# KiCad board armory.kicad_pcb (continued)
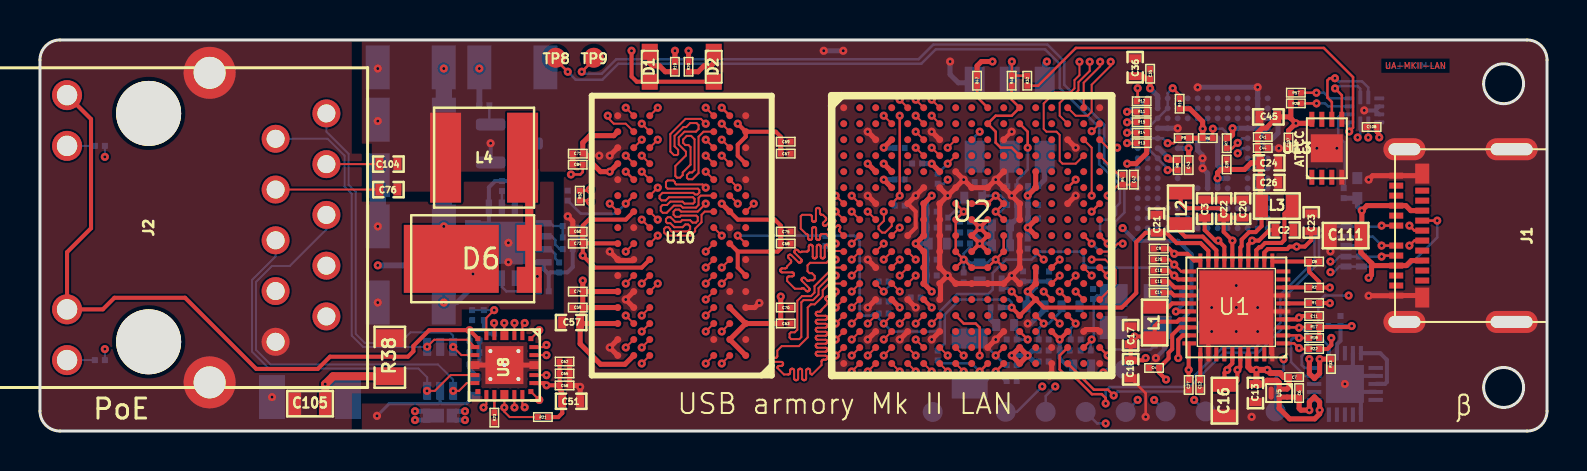
[diagram p0: board, top side]
## Routing (per net, layer and track width the routed paths; a pad name or vN(x,y) marks a point on that pad's centre or on a via; arc(x,y) is an arc through that point) (continued)
/DDR/DRAM_SDQS0_N: length 27.9
  TOP w0.1: U2.P7 v1(44.59,5.38) ; v1(33.29,8.18) U10.G3
  SIGNAL_1 w0.1: v1(33.29,8.18) 32.98,8.49 32.58,8.49 32.37,8.28 32.37,8.01 32.6,7.78 33.46,7.78 33.72,7.52 33.72,7.13 33.85,7 34.24,7 34.72,7.48 34.72,8.83 35.26,9.37 35.26,9.92 35.04,10.14 34.62,10.14 34.42,10.34 33.94,10.34 33.88,10.4 33.88,10.52 33.97,10.61 35.73,10.61 36.25,11.14 36.25,11.58 36.42,11.75 39.03,11.75 39.43,11.35 39.43,10.82 39.83,10.42 42.7,10.42 42.87,10.59 43.78,10.59 44.66,9.71 44.66,9.52 45.03,9.14 45.03,7.63 45.38,7.28 45.38,6.77 45.03,6.42 45.03,5.82 v1(44.59,5.38)
/DDR/DRAM_SDQS0_P: length 27.9
  TOP w0.1: U2.P6 v1(43.79,5.38) ; U10.F3 v1(33.29,7.38)
  SIGNAL_1 w0.1: v1(33.29,7.38) 32.71,7.38 32.17,7.92 32.17,8.56 32.12,8.61 31.85,8.61 31.79,8.55 31.79,7.96 32.8,6.95 33.45,6.95 33.6,6.8 34.43,6.8 34.92,7.29 34.92,8.75 35.48,9.31 35.48,10.04 35.37,10.15 35.37,10.32 35.46,10.41 35.81,10.41 36.45,11.05 36.45,11.41 36.59,11.55 38.95,11.55 39.23,11.26 39.23,10.74 39.75,10.22 42.43,10.22 42.83,9.82 43.13,9.82 43.54,10.23 43.86,10.23 44.46,9.63 44.46,9.43 44.83,9.06 44.83,7.55 45.18,7.2 45.18,6.86 44.87,6.54 44.36,6.54 44.23,6.41 44.23,5.82 v1(43.79,5.38)
/DDR/DRAM_SDQS1_N: length 28
  TOP w0.1: v1(30.09,4.18) U10.B7 ; U2.T2 v1(40.59,3.78)
  SIGNAL_1 w0.1: v1(40.59,3.78) 40.59,3.48 40.65,3.42 40.93,3.42 40.99,3.48 40.99,4.05 40.84,4.2 40.34,4.2 40.19,4.05 40.19,3.49 40.02,3.32 39.69,3.32 39.23,3.78 39.23,4.42 38.97,4.68 38.3,4.68 38.28,4.68 38.26,4.69 38.24,4.7 38.23,4.72 38.21,4.74 38.21,4.76 38.2,4.78 38.2,5.43 38.2,5.45 38.19,5.47 38.18,5.49 38.17,5.51 38.15,5.52 38.13,5.53 38.1,5.53 38.08,5.53 38.06,5.52 38.04,5.51 38.03,5.49 38.01,5.47 38.01,5.45 38,5.43 38,4.43 38,4.41 37.99,4.39 37.98,4.37 37.97,4.35 37.95,4.34 37.93,4.33 37.9,4.33 37.88,4.33 37.86,4.34 37.84,4.35 37.83,4.37 37.81,4.39 37.81,4.41 37.8,4.43 37.8,4.88 37.8,4.9 37.79,4.92 37.78,4.94 37.77,4.96 37.75,4.97 37.73,4.98 37.7,4.98 37.68,4.98 37.66,4.97 37.64,4.96 37.63,4.94 37.61,4.92 37.61,4.9 37.6,4.88 37.6,4.43 37.6,4.41 37.59,4.39 37.58,4.37 37.57,4.35 37.55,4.34 37.53,4.33 37.5,4.33 37.48,4.33 37.46,4.34 37.44,4.35 37.43,4.37 37.41,4.39 37.41,4.41 37.4,4.43 37.4,4.88 37.4,4.9 37.39,4.92 37.38,4.94 37.37,4.96 37.35,4.97 37.33,4.98 37.3,4.98 37.28,4.98 37.26,4.97 37.24,4.96 37.23,4.94 37.21,4.92 37.21,4.9 37.2,4.88 37.2,4.43 37.2,4.41 37.19,4.39 37.18,4.37 37.17,4.35 37.15,4.34 37.13,4.33 37.1,4.33 37.08,4.33 37.06,4.34 37.04,4.35 37.03,4.37 37.01,4.39 37.01,4.41 37,4.43 37,4.93 37,4.95 36.99,4.97 36.98,4.99 36.97,5.01 36.95,5.02 36.93,5.03 36.9,5.03 36.88,5.03 36.86,5.02 36.84,5.01 36.83,4.99 36.81,4.97 36.81,4.95 36.8,4.93 36.8,4.43 36.8,4.41 36.79,4.39 36.78,4.37 36.77,4.35 36.75,4.34 36.73,4.33 36.7,4.33 36.68,4.33 36.66,4.34 36.64,4.35 36.63,4.37 36.61,4.39 36.61,4.41 36.6,4.43 36.6,4.58 36.6,4.6 36.59,4.62 36.58,4.64 36.57,4.66 36.55,4.67 36.53,4.68 36.5,4.68 36.2,4.68 36.16,4.63 36.14,4.62 36.12,4.61 36.1,4.61 36.08,4.61 36.05,4.61 36.03,4.62 36.02,4.63 35.88,4.77 35.86,4.79 35.84,4.8 35.82,4.8 35.79,4.8 35.77,4.8 35.75,4.79 35.73,4.77 35.72,4.76 35.71,4.74 35.71,4.71 35.71,4.69 35.71,4.67 35.72,4.65 35.73,4.63 35.95,4.42 36.01,4.35 36.03,4.33 36.04,4.31 36.04,4.29 36.04,4.27 36.04,4.25 36.03,4.23 36.01,4.21 36,4.2 35.98,4.19 35.95,4.18 35.93,4.18 35.91,4.19 35.89,4.2 35.86,4.22 35.84,4.23 35.81,4.24 35.79,4.24 35.77,4.23 35.75,4.22 35.73,4.21 35.24,4.21 35.22,4.21 35.2,4.22 35.18,4.23 35.17,4.25 35.15,4.27 35.15,4.29 35.14,4.31 35.14,4.56 35.14,4.58 35.13,4.6 35.12,4.62 35.11,4.64 35.09,4.65 35.07,4.66 35.04,4.66 35.02,4.66 35,4.65 34.98,4.64 34.97,4.62 34.95,4.6 34.95,4.58 34.94,4.56 34.94,4.31 34.94,4.29 34.93,4.27 34.92,4.25 34.91,4.23 34.89,4.22 34.87,4.21 34.84,4.21 34.82,4.21 34.8,4.22 34.78,4.23 34.76,4.25 34.75,4.27 34.74,4.29 34.74,4.33 34.73,4.35 34.72,4.37 34.71,4.39 34.69,4.4 34.67,4.41 34.64,4.41 34.62,4.41 34.6,4.4 34.58,4.39 34.56,4.37 34.55,4.35 34.54,4.33 34.54,4.29 34.53,4.27 34.52,4.25 34.51,4.23 34.49,4.22 34.47,4.21 34.44,4.21 32.94,4.21 32.93,4.21 32.92,4.21 32.91,4.2 32.9,4.19 32.9,4.18 32.89,4.17 32.89,4.15 32.89,4.14 32.88,4.13 32.87,4.12 32.87,4.11 32.85,4.11 32.84,4.11 32.74,4.11 32.73,4.11 32.72,4.11 32.71,4.12 32.7,4.13 32.7,4.14 32.69,4.15 32.69,4.16 32.69,4.56 32.69,4.58 32.68,4.6 32.67,4.62 32.66,4.64 32.64,4.65 32.62,4.66 32.59,4.66 32.57,4.66 32.55,4.65 32.53,4.64 32.52,4.62 32.5,4.6 32.5,4.58 32.49,4.56 32.49,4.06 32.49,4.04 32.48,4.02 32.47,4 32.46,3.98 32.44,3.97 32.42,3.96 32.39,3.96 32.37,3.96 32.35,3.97 32.33,3.98 32.32,4 32.3,4.02 32.3,4.04 32.29,4.06 32.29,4.56 32.29,4.58 32.28,4.6 32.27,4.62 32.26,4.64 32.24,4.65 32.22,4.66 32.19,4.66 32.17,4.66 32.15,4.65 32.13,4.64 32.12,4.62 32.1,4.6 32.1,4.58 32.09,4.56 32.09,4.06 32.09,4.04 32.08,4.02 32.07,4 32.06,3.98 32.04,3.97 32.02,3.96 31.99,3.96 31.97,3.96 31.95,3.97 31.93,3.98 31.92,4 31.9,4.02 31.9,4.04 31.89,4.06 31.89,4.41 31.89,4.43 31.88,4.45 31.87,4.47 31.86,4.49 31.84,4.5 31.82,4.51 31.79,4.51 31.77,4.51 31.75,4.5 31.73,4.49 31.72,4.47 31.7,4.45 31.7,4.43 31.69,4.41 31.69,4.06 31.69,4.04 31.68,4.02 31.67,4 31.66,3.98 31.64,3.97 31.62,3.96 31.59,3.96 31.57,3.96 31.55,3.97 31.53,3.98 31.52,4 31.5,4.02 31.5,4.04 31.49,4.06 31.49,4.41 31.49,4.43 31.48,4.45 31.47,4.47 31.46,4.49 31.44,4.5 31.42,4.51 31.39,4.51 31.37,4.51 31.35,4.5 31.33,4.49 31.32,4.47 31.3,4.45 31.3,4.43 31.29,4.41 31.29,4.06 31.29,4.04 31.28,4.02 31.27,4 31.26,3.98 31.24,3.97 31.22,3.96 31.19,3.96 31.17,3.96 31.15,3.97 31.13,3.98 31.12,4 31.1,4.02 31.1,4.04 31.09,4.06 31.09,4.41 31.09,4.43 31.08,4.45 31.07,4.47 31.06,4.49 31.04,4.5 31.02,4.51 30.99,4.51 30.97,4.51 30.95,4.5 30.93,4.49 30.92,4.47 30.9,4.45 30.9,4.43 30.89,4.41 30.89,4.06 30.89,4.04 30.88,4.02 30.87,4 30.86,3.98 30.84,3.97 30.82,3.96 30.79,3.96 30.77,3.96 30.75,3.97 30.73,3.98 30.72,4 30.7,4.02 30.7,4.04 30.69,4.06 30.69,4.11 30.69,4.13 30.68,4.15 30.67,4.17 30.66,4.19 30.64,4.2 30.62,4.21 30.59,4.21 30.12,4.21 v1(30.09,4.18)
/DDR/DRAM_SDQS1_P: length 28
  TOP w0.1: v1(39.79,3.78) U2.T1 ; U10.C7 v1(30.09,4.98)
  SIGNAL_1 w0.1: v1(39.79,3.78) 39.43,4.14 39.43,5.53 39.68,5.78 40.06,5.78 40.19,5.91 40.19,6.43 40.04,6.58 39.68,6.58 39.48,6.78 39.18,6.78 39.04,6.64 39.04,6.08 38.69,5.73 38.14,5.73 38.11,5.73 38.08,5.74 38.06,5.76 38.04,5.78 38.02,5.8 38.01,5.83 38.01,5.86 38.01,6.09 38.01,6.12 38,6.15 37.98,6.17 37.96,6.19 37.94,6.2 37.91,6.21 37.89,6.22 37.86,6.21 37.83,6.2 37.81,6.19 37.79,6.17 37.77,6.15 37.76,6.12 37.76,6.09 37.76,5.32 37.76,5.29 37.75,5.26 37.73,5.24 37.71,5.22 37.69,5.21 37.66,5.2 37.64,5.19 37.61,5.2 37.58,5.21 37.56,5.22 37.54,5.24 37.52,5.26 37.51,5.29 37.51,5.32 37.51,6.09 37.51,6.12 37.5,6.15 37.48,6.17 37.46,6.19 37.44,6.2 37.41,6.21 37.39,6.22 37.36,6.21 37.33,6.2 37.31,6.19 37.29,6.17 37.27,6.15 37.26,6.12 37.26,6.09 37.26,5.32 37.26,5.29 37.25,5.26 37.23,5.24 37.21,5.22 37.19,5.21 37.16,5.2 37.14,5.19 37.11,5.2 37.08,5.21 37.06,5.22 37.04,5.24 37.02,5.26 37.01,5.29 37.01,5.32 37.01,6.14 37.01,6.17 37,6.2 36.98,6.22 36.96,6.24 36.94,6.25 36.91,6.26 36.89,6.27 36.86,6.26 36.83,6.25 36.81,6.24 36.79,6.22 36.77,6.2 36.76,6.17 36.76,6.14 36.76,5.32 36.76,5.29 36.75,5.26 36.73,5.24 36.71,5.22 36.69,5.21 36.66,5.2 36.64,5.19 36.61,5.2 36.58,5.21 36.56,5.22 36.54,5.24 36.52,5.26 36.51,5.29 36.51,5.32 36.51,6.14 36.51,6.17 36.5,6.2 36.48,6.22 36.46,6.24 36.44,6.25 36.41,6.26 36.39,6.27 36.36,6.26 36.33,6.25 36.31,6.24 36.29,6.22 36.27,6.2 36.26,6.17 36.26,6.14 36.26,5.32 36.26,5.29 36.25,5.26 36.23,5.24 36.21,5.22 36.19,5.21 36.16,5.2 36.14,5.19 36.11,5.2 36.08,5.21 36.06,5.22 36.04,5.24 36.02,5.26 36.01,5.29 36.01,5.32 36.01,5.61 36.01,5.63 36,5.66 35.98,5.68 35.96,5.7 35.94,5.72 35.91,5.73 35.89,5.73 35.64,5.73 35.55,5.64 35.52,5.62 35.5,5.61 35.47,5.6 35.44,5.6 35.42,5.61 35.39,5.62 35.37,5.64 35.27,5.74 35.25,5.75 35.23,5.77 35.2,5.77 35.17,5.77 35.14,5.77 35.12,5.75 35.1,5.74 35.08,5.71 35.07,5.69 35.06,5.66 35.06,5.63 35.07,5.61 35.08,5.58 35.1,5.56 35.57,5.08 35.59,5.06 35.6,5.04 35.61,5.01 35.61,4.98 35.6,4.95 35.59,4.93 35.57,4.91 35.55,4.89 35.53,4.88 35.5,4.87 35.47,4.87 35.44,4.88 35.42,4.89 35.4,4.91 34.92,5.38 34.9,5.4 34.87,5.41 34.84,5.42 34.82,5.42 34.79,5.41 34.76,5.4 34.74,5.38 34.72,5.36 34.71,5.34 34.71,5.31 34.71,5.28 34.71,5.25 34.72,5.23 34.74,5.21 34.96,4.99 34.97,4.98 34.97,4.97 34.98,4.96 34.98,4.94 34.97,4.93 34.97,4.92 34.96,4.91 34.86,4.81 34.85,4.8 34.84,4.8 34.83,4.79 34.82,4.79 34.8,4.8 34.79,4.8 34.78,4.82 34.77,4.82 34.76,4.82 34.74,4.82 34.73,4.82 34.72,4.82 34.72,4.81 34.33,4.42 33.18,4.42 32.72,4.88 32.36,4.88 32.34,4.88 32.31,4.89 32.29,4.91 32.27,4.93 32.25,4.95 32.24,4.98 32.24,5 32.24,5.04 32.24,5.07 32.23,5.1 32.21,5.12 32.19,5.14 32.17,5.15 32.14,5.16 32.11,5.17 32.09,5.16 32.06,5.15 32.04,5.14 32.02,5.12 32,5.1 31.99,5.07 31.99,5.04 31.99,4.81 31.99,4.8 31.98,4.78 31.97,4.77 31.96,4.76 31.95,4.75 31.94,4.74 31.92,4.74 31.81,4.74 31.79,4.74 31.78,4.75 31.76,4.76 31.75,4.77 31.75,4.78 31.74,4.8 31.74,4.81 31.74,5.04 31.74,5.07 31.73,5.1 31.71,5.12 31.69,5.14 31.67,5.15 31.64,5.16 31.61,5.17 31.59,5.16 31.56,5.15 31.54,5.14 31.52,5.12 31.5,5.1 31.49,5.07 31.49,5.04 31.49,4.81 31.49,4.8 31.48,4.78 31.47,4.77 31.46,4.76 31.45,4.75 31.44,4.74 31.42,4.74 31.31,4.74 31.29,4.74 31.28,4.75 31.26,4.76 31.25,4.77 31.25,4.78 31.24,4.8 31.24,4.81 31.24,5.04 31.24,5.07 31.23,5.1 31.21,5.12 31.19,5.14 31.17,5.15 31.14,5.16 31.11,5.17 31.09,5.16 31.06,5.15 31.04,5.14 31.02,5.12 31,5.1 30.99,5.07 30.99,5.04 30.99,4.88 30.98,4.88 30.98,4.81 30.98,4.8 30.98,4.78 30.97,4.77 30.96,4.76 30.94,4.75 30.93,4.74 30.91,4.74 30.8,4.74 30.79,4.74 30.77,4.75 30.76,4.76 30.75,4.77 30.74,4.78 30.73,4.8 30.73,4.83 30.73,4.84 30.72,4.85 30.71,4.87 30.69,4.87 30.68,4.88 30.66,4.88 30.19,4.88 v1(30.09,4.98)
/DDR/DRAM_WE_B: length 33.9
  TOP w0.1: v1(33.29,12.18) 33.13,12.34 31.81,12.34 31.75,12.4 31.75,12.46 31.67,12.54 31.38,12.54 31.3,12.46 31.3,12.21 31.38,12.13 32.9,12.13 32.97,12.06 32.97,11.93 32.88,11.84 32.75,11.84 32.67,11.92 31.13,11.92 30.98,11.77 30.98,11.64 31.08,11.54 31.29,11.54 31.45,11.7 32.65,11.7 32.73,11.62 32.73,11.45 32.66,11.38 32.23,11.38 32.13,11.48 31.52,11.48 31.35,11.31 31.13,11.31 31.04,11.22 31.04,11.02 31.14,10.92 31.34,10.92 31.7,11.28 32.05,11.28 32.15,11.18 32.8,11.18 32.93,11.31 32.93,11.67 33.04,11.78 U10.L3 ; v1(39.79,9.38) 39.31,9.86 39.11,9.86 39.09,9.86 39.07,9.85 39.05,9.84 39.04,9.82 39.02,9.8 39.02,9.78 39.01,9.76 39.01,9.66 39.01,9.64 39,9.62 38.99,9.6 38.98,9.58 38.96,9.57 38.94,9.56 38.91,9.56 38.89,9.56 38.87,9.57 38.85,9.58 38.84,9.6 38.82,9.62 38.82,9.64 38.81,9.66 38.81,10.11 38.81,10.13 38.8,10.15 38.79,10.17 38.78,10.19 38.76,10.2 38.74,10.21 38.71,10.21 38.69,10.21 38.67,10.2 38.65,10.19 38.64,10.17 38.62,10.15 38.62,10.13 38.61,10.11 38.61,9.66 38.61,9.64 38.6,9.62 38.59,9.6 38.58,9.58 38.56,9.57 38.54,9.56 38.51,9.56 38.49,9.56 38.47,9.57 38.45,9.58 38.44,9.6 38.42,9.62 38.42,9.64 38.41,9.66 38.41,9.76 38.41,9.78 38.4,9.8 38.39,9.82 38.38,9.84 38.36,9.85 38.34,9.86 38.31,9.86 38.04,10.13 38.04,10.75 38.11,10.82 38.5,10.82 38.53,10.82 38.55,10.81 38.57,10.8 38.58,10.78 38.59,10.76 38.6,10.74 38.6,10.72 38.6,10.57 38.61,10.55 38.61,10.53 38.63,10.51 38.64,10.49 38.66,10.48 38.68,10.47 38.7,10.47 38.73,10.47 38.75,10.48 38.77,10.49 38.78,10.51 38.79,10.53 38.8,10.55 38.8,10.57 38.8,11.07 38.81,11.09 38.81,11.11 38.83,11.13 38.84,11.15 38.86,11.16 38.88,11.17 38.9,11.17 38.93,11.17 38.95,11.16 38.97,11.15 38.98,11.13 38.99,11.11 39,11.09 39,11.07 39,10.92 39.01,10.9 39.01,10.88 39.03,10.86 39.04,10.84 39.06,10.83 39.08,10.82 39.1,10.82 39.15,10.82 39.29,10.69 39.3,10.67 39.31,10.65 39.32,10.63 39.32,10.61 39.31,10.58 39.3,10.56 39.29,10.55 39.18,10.44 39.17,10.42 39.16,10.4 39.15,10.38 39.15,10.36 39.16,10.34 39.17,10.32 39.18,10.3 39.2,10.28 39.22,10.27 39.24,10.27 39.26,10.27 39.28,10.27 39.3,10.28 39.32,10.3 39.6,10.58 39.62,10.6 39.64,10.6 39.66,10.61 39.69,10.61 39.71,10.6 39.73,10.6 39.75,10.58 39.76,10.56 39.77,10.54 39.77,10.52 39.77,10.5 39.77,10.48 39.76,10.46 39.75,10.44 39.46,10.16 39.45,10.14 39.44,10.12 39.43,10.1 39.43,10.07 39.44,10.05 39.45,10.03 39.46,10.02 39.48,10 39.5,9.99 39.52,9.99 39.55,9.99 39.57,9.99 39.59,10 39.6,10.02 39.85,10.26 39.87,10.28 39.89,10.29 39.91,10.29 39.93,10.29 39.96,10.29 39.98,10.28 39.99,10.26 40.01,10.25 40.02,10.23 40.02,10.2 40.02,10.18 40.02,10.16 40.01,10.14 39.98,10.1 39.97,10.08 39.96,10.06 39.96,10.04 39.97,10.02 39.98,10 39.99,9.98 U2.J1
  SIGNAL_2 w0.1: v1(33.29,12.18) 33.29,12.48 33.65,12.84 33.65,13.08 33.75,13.18 35.27,13.18 35.46,12.99 36.26,12.99 37.4,11.85 37.4,10.84 37.48,10.76 37.58,10.76 37.75,10.58 37.75,10.35 37.84,10.26 38.07,10.26 39.18,9.15 39.18,8.99 39.24,8.93 39.36,8.93 39.79,9.36 v1(39.79,9.38)
/DDR/DRAM_ZQPAD: length 1.2
  TOP w0.254: U2.N4 v1(42.99,6.18)
  BOTTOM w0.127: R51.1 42.69,6.48 v1(42.99,6.18)
/eMMC/SD2_CLK: length 21.2
  SIGNAL_1 w0.127: v1(59.89,13.9) 59.53,13.9 57.81,12.18 57.5,12.18 57.48,12.18 57.46,12.19 57.44,12.2 57.43,12.22 57.41,12.24 57.41,12.26 57.4,12.3 57.39,12.32 57.38,12.34 57.37,12.36 57.35,12.37 57.33,12.38 57.3,12.38 57.25,12.38 57.23,12.38 57.21,12.37 57.19,12.36 57.17,12.34 57.16,12.32 57.15,12.3 57.15,12.28 57.15,12.08 57.15,12.06 57.14,12.04 57.13,12.02 57.11,12 57.09,11.99 57.07,11.98 57.05,11.98 57,11.98 56.97,11.98 56.95,11.99 56.93,12 56.92,12.02 56.91,12.04 56.9,12.06 56.9,12.08 56.9,12.28 56.89,12.3 56.89,12.32 56.87,12.34 56.86,12.36 56.84,12.37 56.82,12.38 56.8,12.38 56.74,12.38 56.72,12.38 56.7,12.37 56.68,12.36 56.66,12.34 56.65,12.32 56.64,12.3 56.64,12.28 56.64,12.08 56.64,12.06 56.63,12.04 56.62,12.02 56.6,12 56.58,11.99 56.56,11.98 56.54,11.98 56.49,11.98 56.47,11.98 56.44,11.99 56.43,12 56.41,12.02 56.4,12.04 56.39,12.06 56.39,12.08 56.39,12.28 56.38,12.3 56.38,12.32 56.37,12.34 56.35,12.36 56.33,12.37 56.31,12.38 56.29,12.38 56.23,12.38 56.21,12.38 56.19,12.37 56.17,12.36 56.16,12.34 56.14,12.32 56.14,12.3 56.13,12.28 56.13,12.08 56.13,12.06 56.12,12.04 56.11,12.02 56.1,12 56.08,11.99 56.06,11.98 56.03,11.98 55.98,11.98 55.96,11.98 55.94,11.99 55.92,12 55.9,12.02 55.89,12.04 55.88,12.06 55.88,12.08 55.88,12.28 55.88,12.3 55.87,12.32 55.86,12.34 55.84,12.36 55.82,12.37 55.8,12.38 55.78,12.38 55.73,12.38 55.7,12.38 55.68,12.37 55.66,12.36 55.65,12.34 55.64,12.32 55.63,12.3 55.63,12.28 55.63,12.08 55.62,12.06 55.62,12.04 55.6,12.02 55.59,12 55.57,11.99 55.55,11.98 55.53,11.98 55.47,11.98 55.45,11.98 55.43,11.99 55.41,12 55.39,12.02 55.38,12.04 55.37,12.06 55.37,12.08 55.37,12.28 55.37,12.3 55.36,12.32 55.35,12.34 55.33,12.36 55.31,12.37 55.29,12.38 55.27,12.38 55.22,12.38 55.2,12.38 55.17,12.37 55.16,12.36 55.14,12.34 55.13,12.32 55.12,12.3 55.12,12.28 55.12,12.08 55.11,12.06 55.11,12.04 55.1,12.02 55.08,12 55.06,11.99 55.04,11.98 55.02,11.98 54.96,11.98 54.94,11.98 54.92,11.99 54.9,12 54.89,12.02 54.87,12.04 54.87,12.06 54.86,12.08 54.86,12.28 54.86,12.3 54.85,12.32 54.84,12.34 54.83,12.36 54.81,12.37 54.79,12.38 54.76,12.38 54.71,12.38 54.69,12.38 54.67,12.37 54.65,12.36 54.63,12.34 54.62,12.32 54.61,12.3 54.61,12.26 54.6,12.24 54.59,12.22 54.57,12.2 54.55,12.19 54.53,12.18 54.51,12.18 54.19,12.18 53.79,12.58 53.79,12.88 53.52,13.15 51.77,13.15 50.79,12.18 47.4,12.18 46.61,12.97 45.79,12.97 v1(45.39,12.58)
  BOTTOM w0.127: v1(59.89,13.9) 60.14,14.15 U3.M6 ; v1(45.39,12.58) 45.19,12.38 R16.1
/eMMC/SD2_CLK_R: length 1.3
  TOP w0.1: U2.D8 v1(45.39,13.38)
  BOTTOM w0.127: v1(45.39,13.38) R16.2
/eMMC/SD2_CMD: length 21.2
  TOP w0.1: U2.C8 v1(45.39,14.18)
  TOP w0.127: v1(59.89,14.42) 59.63,14.16 R7.2
  SIGNAL_1 w0.127: v1(45.39,14.18) 46.21,13.36 46.96,13.36 47.31,13.01 48.7,13.01 48.73,13.01 48.76,13 48.78,12.98 48.8,12.96 48.82,12.94 48.83,12.91 48.83,12.88 48.83,12.65 48.83,12.62 48.84,12.59 48.86,12.57 48.88,12.55 48.9,12.54 48.93,12.53 48.96,12.52 48.99,12.53 49.01,12.54 49.04,12.55 49.06,12.57 49.07,12.59 49.08,12.62 49.08,12.65 49.08,13.27 49.09,13.3 49.1,13.33 49.11,13.35 49.13,13.37 49.16,13.38 49.18,13.39 49.21,13.4 49.24,13.39 49.27,13.38 49.29,13.37 49.31,13.35 49.33,13.33 49.34,13.3 49.34,13.27 49.34,12.65 49.34,12.62 49.35,12.59 49.37,12.57 49.39,12.55 49.41,12.54 49.44,12.53 49.47,12.52 49.49,12.53 49.52,12.54 49.54,12.55 49.56,12.57 49.58,12.59 49.59,12.62 49.59,12.65 49.59,13.27 49.6,13.3 49.61,13.33 49.62,13.35 49.64,13.37 49.66,13.38 49.69,13.39 49.72,13.4 49.75,13.39 49.77,13.38 49.8,13.37 49.82,13.35 49.83,13.33 49.84,13.3 49.85,13.27 49.85,13.14 49.85,13.11 49.86,13.08 49.87,13.06 49.89,13.04 49.92,13.02 49.95,13.01 49.97,13.01 50.97,13.01 51.4,13.44 53.71,13.44 54.49,12.66 56.9,12.66 57.46,13.22 57.46,13.52 58.36,14.42 v1(59.89,14.42)
  BOTTOM w0.127: v1(59.89,14.42) 60.12,14.65 U3.M5
/eMMC/SD2_DATA0: length 20.5
  TOP w0.1: U2.D7 v1(44.59,14.18)
  TOP w0.127: R15.2 54.37,15.45 v1(54.36,15.45)
  SIGNAL_1 w0.127: v1(44.59,14.18) 44.59,14.45 45.03,14.89 46.06,14.89 46.36,14.59 47.19,14.59 47.21,14.59 47.23,14.58 47.24,14.57 47.25,14.56 47.26,14.55 47.27,14.53 47.27,14.5 47.28,14.48 47.28,14.47 47.3,14.46 47.31,14.45 47.33,14.44 47.34,14.44 47.45,14.44 47.46,14.44 47.48,14.45 47.49,14.46 47.51,14.47 47.52,14.48 47.52,14.5 47.52,14.52 47.52,14.86 47.53,14.89 47.54,14.92 47.55,14.94 47.57,14.96 47.59,14.98 47.62,14.99 47.65,14.99 47.68,14.99 47.7,14.98 47.73,14.96 47.75,14.94 47.76,14.92 47.77,14.89 47.78,14.86 47.78,14.72 47.78,14.69 47.79,14.66 47.8,14.64 47.82,14.62 47.85,14.6 47.88,14.59 47.9,14.59 47.93,14.59 47.96,14.6 47.98,14.62 48,14.64 48.02,14.66 48.03,14.69 48.03,14.74 48.04,14.77 48.06,14.79 48.08,14.81 48.1,14.83 48.13,14.84 48.15,14.84 48.16,14.84 48.19,14.84 48.21,14.83 48.24,14.81 48.26,14.79 48.27,14.77 48.28,14.74 48.28,14.72 48.28,14.32 48.29,14.29 48.3,14.26 48.31,14.24 48.33,14.22 48.35,14.2 48.38,14.19 48.41,14.19 48.44,14.19 48.46,14.2 48.49,14.22 48.51,14.24 48.52,14.26 48.53,14.29 48.54,14.32 48.54,14.46 48.54,14.49 48.55,14.52 48.56,14.54 48.58,14.56 48.61,14.58 48.64,14.59 48.66,14.59 48.69,14.59 48.72,14.58 48.74,14.56 48.76,14.54 48.78,14.52 48.79,14.49 48.79,14.46 48.79,14.32 48.79,14.29 48.8,14.26 48.82,14.24 48.84,14.22 48.86,14.2 48.89,14.19 48.92,14.19 48.95,14.19 48.97,14.2 49,14.22 49.02,14.24 49.03,14.26 49.04,14.29 49.04,14.32 49.04,14.46 49.05,14.49 49.06,14.52 49.07,14.54 49.09,14.56 49.12,14.58 49.14,14.59 49.17,14.59 49.57,14.59 49.58,14.59 49.59,14.59 49.6,14.58 49.61,14.57 49.62,14.56 49.62,14.55 49.62,14.53 49.63,14.52 49.63,14.51 49.64,14.5 49.65,14.49 49.66,14.49 49.67,14.49 49.83,14.49 49.84,14.49 49.85,14.49 49.86,14.5 49.86,14.51 49.87,14.52 49.87,14.53 49.88,14.54 49.88,14.86 49.88,14.89 49.89,14.92 49.9,14.94 49.92,14.96 49.95,14.98 49.97,14.99 50,14.99 50.03,14.99 50.06,14.98 50.08,14.96 50.1,14.94 50.12,14.92 50.13,14.89 50.13,14.86 50.13,14.32 50.13,14.29 50.14,14.26 50.16,14.24 50.18,14.22 50.2,14.2 50.23,14.19 50.26,14.19 50.28,14.19 50.31,14.2 50.34,14.22 50.36,14.24 50.37,14.26 50.38,14.29 50.38,14.32 50.38,14.86 50.39,14.89 50.4,14.92 50.41,14.94 50.43,14.96 50.46,14.98 50.48,14.99 50.51,14.99 50.54,14.99 50.57,14.98 50.59,14.96 50.61,14.94 50.62,14.92 50.63,14.89 50.64,14.86 50.64,14.32 50.64,14.29 50.65,14.26 50.67,14.24 50.69,14.22 50.71,14.2 50.74,14.19 50.76,14.19 50.79,14.19 50.82,14.2 50.84,14.22 50.86,14.24 50.88,14.26 50.89,14.29 50.89,14.32 50.89,14.86 50.89,14.89 50.9,14.92 50.92,14.94 50.94,14.96 50.96,14.98 50.99,14.99 51.02,14.99 51.05,14.99 51.07,14.98 51.1,14.96 51.12,14.94 51.13,14.92 51.14,14.89 51.15,14.86 51.15,14.32 51.15,14.29 51.16,14.26 51.17,14.24 51.19,14.22 51.22,14.2 51.24,14.19 51.27,14.19 51.3,14.19 51.33,14.2 51.35,14.22 51.37,14.24 51.39,14.26 51.4,14.29 51.4,14.32 51.4,14.46 51.4,14.49 51.41,14.52 51.43,14.54 51.45,14.56 51.47,14.58 51.5,14.59 51.53,14.59 52.59,14.59 52.62,14.59 52.65,14.58 52.67,14.56 52.69,14.54 52.71,14.52 52.72,14.49 52.72,14.46 52.72,14.32 52.72,14.29 52.73,14.26 52.75,14.24 52.77,14.22 52.79,14.2 52.82,14.19 52.85,14.19 52.88,14.19 52.9,14.2 52.93,14.22 52.95,14.24 52.96,14.26 52.97,14.29 52.97,14.32 52.97,14.86 52.98,14.89 52.99,14.92 53,14.94 53.02,14.96 53.05,14.98 53.07,14.99 53.1,14.99 53.13,14.99 53.16,14.98 53.18,14.96 53.2,14.94 53.22,14.92 53.23,14.89 53.23,14.86 53.23,14.72 53.23,14.69 53.24,14.66 53.26,14.64 53.28,14.62 53.3,14.6 53.33,14.59 53.36,14.59 53.75,14.59 53.96,14.8 53.96,15.25 54.16,15.45 v1(54.36,15.45)
  BOTTOM w0.127: v1(54.36,15.45) 54.56,15.65 U3.A3
